# Altium PCB cPCIs_controller.pcbdoc (part 3 of 4)
Units mil, origin at the board's own origin, x right, y up, seen from the top; angles counter-clockwise.
Board outline 8662.94 x 3937.01 mil, 12 copper layers (Top Layer, L2GND, L3, L4GND, L5, L6GND, L7PWR, L8, L9GND, L10, L11GND, Bottom Layer), stack 81.88 mil thick; 84 components, 277 nets, 1195 pads, 138 vias.
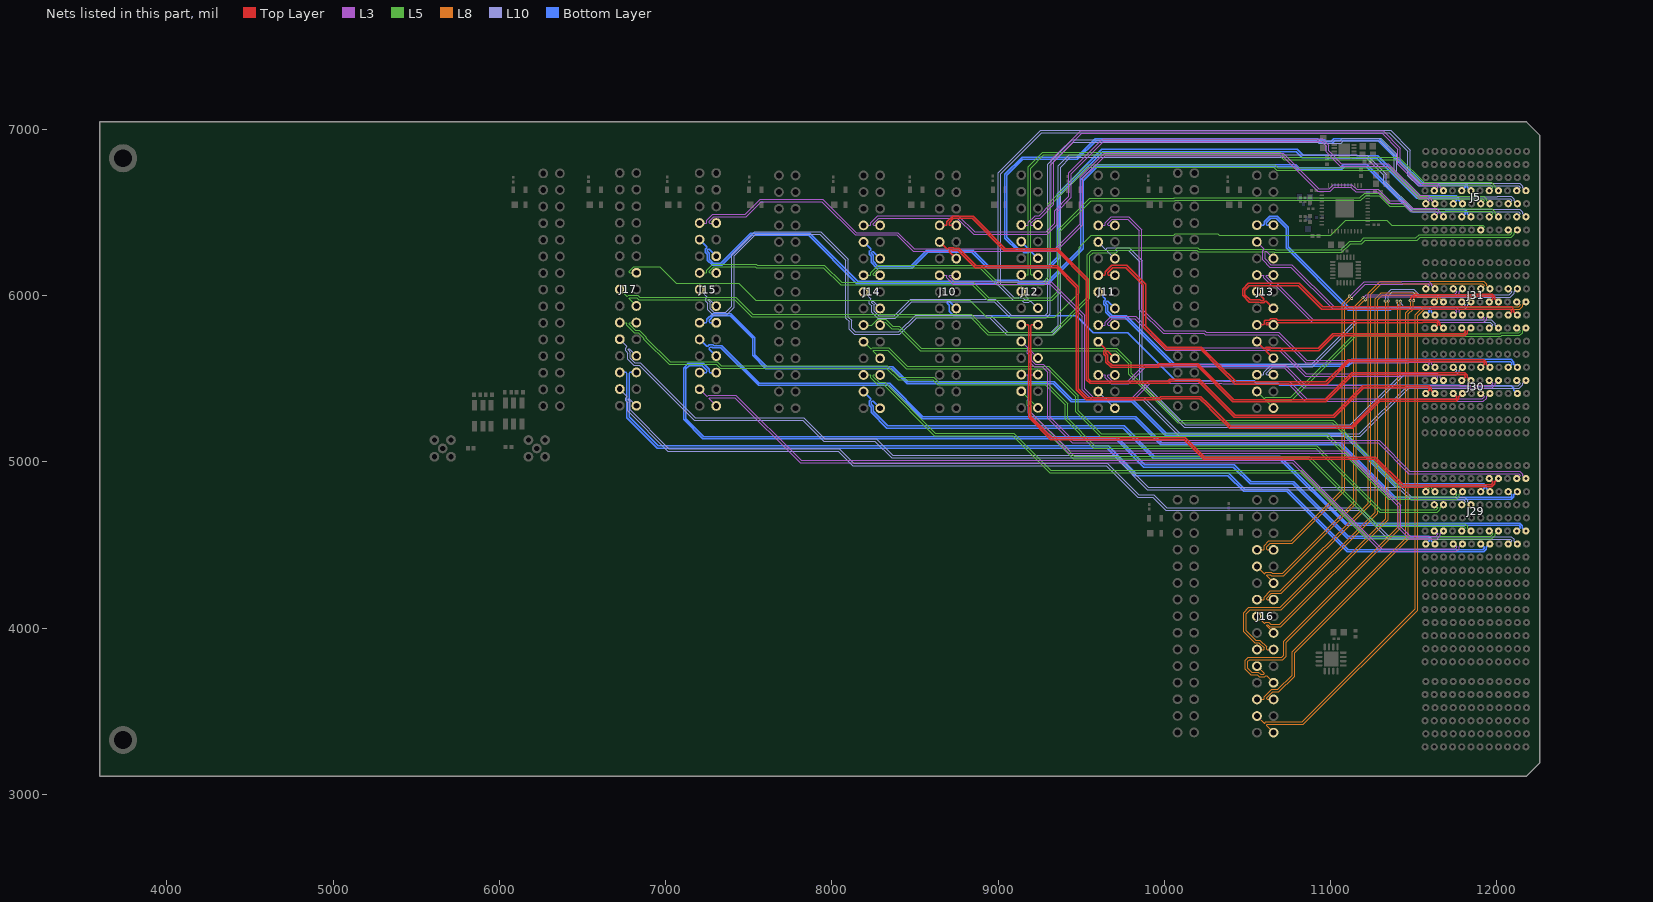
[diagram p13: the nets of this part, all layers, seen from the top]

## Via types
v1: diameter 25.59, hole 11.81, Top Layer to Bottom Layer, tented both sides, 116 vias
v2: diameter 17.72, hole 7.87, Top Layer to Bottom Layer, tented both sides, 18 vias
v3: diameter 19.68, hole 7.87, Top Layer to Bottom Layer, tented both sides, 4 vias

## Nets (pads, with @x,y where several pads share a name; then routed paths per layer and width w, separated by ;. In a path a pad name is that pad's centre, name@x,y a point inside that pad or via, vN(x,y) a via of type N, cw(c..) or ccw(c..) an arc to the next point about the centre after c; other vN are vias at no path point) (continued)
EXT4.LVDS_4_P: J10.14 J30.B4 | length 3761.2
  Bottom Layer w8: J10.14@8749,5923 8706.91,5965.09 8700.28,5965.09 8695.6,5960.4 8695.6,5953.78 8707.47,5941.9 8707.47,5905.8 8734.08,5879.19 9470.19,5879.19 9573.38,5776 9779,5776 10067.93,5487.07 10541.5,5487.07 10554.5,5474.07 10681.53,5474.07 10694.64,5460.96 11742.2,5460.96 11742.24,5461 11777.78,5461 11780.71,5458.07 12088.76,5458.07 12103.5,5443.34 12103.5,5431.32 12123.4,5411.42 J30.B4@12124.56,5411.42
EXT4.LVDS_5_N: J10.18 J30.F4 | length 3950.6
  L3 w5: J10.18@8749,6123 8709.43,6123 8706.5,6120.07 8706.5,6113.14 8736.82,6082.82 9321.18,6082.82 9523,5881 9523,5440.21 9577.21,5386 9807.79,5386 9909.36,5487.57 10353.46,5487.57 10357.04,5484 10751,5484 10856,5379 11912.9,5379 11924.14,5390.25 11924.14,5394.39 11907.12,5411.42 J30.F4@11904.08,5411.42
EXT4.LVDS_5_P: J10.17 J30.E4 | length 4000.4
  L3 w5: J10.17@8649,6123 8688.57,6123 8691.5,6120.07 8691.5,6106.92 8730.6,6067.82 9314.97,6067.82 9508,5874.79 9508,5434 9571,5371 9814,5371 9915.57,5472.57 10347.25,5472.57 10350.82,5469 10744.79,5469 10849.79,5364 11919.11,5364 11939.14,5384.03 11939.14,5394.39 11956.17,5411.42 J30.E4@11959.2,5411.42
EXT4.LVDS_6_N: J10.21 J30.I4 | length 4049.8
  Top Layer w8: J10.21@8649,6323 8691.09,6280.91 8697.72,6280.91 8706.21,6289.4 8730.17,6289.4 8733.64,6285.93 8763.18,6285.93 8869.11,6180 9357.63,6180 9484,6053.63 9484,5439 9537.07,5385.93 9971.93,5385.93 9979,5393 10220,5393 10267.6,5345.4 10306,5307 10399,5214 11126.62,5214 11290.38,5377.76 11752.67,5377.76 11759.79,5384.88 11759.79,5391.51 11739.88,5411.42 J30.I4@11738.73,5411.42
EXT4.LVDS_6_P: J10.20 J30.H4 | length 4060.6
  Top Layer w8: J10.20@8749,6223 8706.91,6265.09 8706.91,6271.72 8711.6,6276.4 8724.79,6276.4 8728.26,6272.93 8757.8,6272.93 8863.73,6167 9352.25,6167 9471,6048.25 9471,5433.62 9531.68,5372.93 9977.32,5372.93 9984.38,5380 10214.62,5380 10254.6,5340.02 10292.65,5301.96 10393.62,5201 11132,5201 11295.76,5364.76 11758.05,5364.76 11772.79,5379.5 11772.79,5391.51 11792.7,5411.42 J30.H4@11793.85,5411.42
EXT4.LVDS_7_N: J10.24 J30.L4 | length 3923.5
  Top Layer w8: J10.24@8749,6423 8710.19,6423 8705.5,6427.69 8705.5,6438.23 8731.8,6464.53 8844.09,6464.53 9038.62,6270 9355,6270 9531,6094 9531,5495.3 9553.37,5472.93 10027.93,5472.93 10040,5485 10205.62,5485 10421.62,5269 11023,5269 11199.07,5445.07 11587.32,5445.07 11594.43,5437.95 11594.43,5431.32 11574.53,5411.42 J30.L4@11573.38,5411.42
EXT4.LVDS_7_P: J10.23 J30.K4 | length 3968
  Top Layer w8: J10.23@8649,6423 8687.81,6423 8692.5,6427.69 8692.5,6443.61 8726.41,6477.53 8849.47,6477.53 9044,6283 9360.38,6283 9544,6099.38 9544,5500.69 ; 9543.04,5501.65 9544,5500.69 ; J30.K4@11628.49,5411.42 11627.34,5411.42 11607.43,5431.32 11607.43,5443.34 11592.7,5458.07 11193.69,5458.07 11017.62,5282 10427,5282 10211,5498 10034.62,5498 10022.55,5485.93 9558.76,5485.93 9544,5500.69
EXT5.LVDS_0_N: J11.3 J30.B5 | length 2805.3
  L10 w5: J11.3@9603,5423 9645.63,5380.38 9649.77,5380.38 9657.09,5387.7 9687.41,5387.7 9687.68,5387.43 9875.78,5387.43 10095.21,5168 11173.79,5168 11464.79,5459 12130.69,5459 12140.68,5468.99 12140.68,5473.13 12123.65,5490.16 J30.B5@12120.62,5490.16
EXT5.LVDS_0_P: J11.2 J30.A5 | length 2817.7
  L10 w5: J11.2@9703,5323 9660.37,5365.63 9660.37,5369.77 9663.3,5372.7 9681.2,5372.7 9681.46,5372.43 9869.57,5372.43 10089,5153 11180,5153 11471,5444 12136.91,5444 12155.68,5462.77 12155.68,5473.13 12172.71,5490.16 J30.A5@12175.74,5490.16
EXT5.LVDS_1_N: J11.6 J30.E5 | length 2505.8
  L3 w5: J11.6@9703,5523 9663.43,5523 9660.5,5520.07 9660.5,5513.14 9687.66,5485.97 9779.97,5485.97 9881.57,5587.57 10338.86,5587.57 10346.43,5580 10728,5580 10847,5461 11967.34,5461 11975.32,5468.99 11975.32,5473.13 11958.3,5490.16 J30.E5@11955.27,5490.16
EXT5.LVDS_1_P: J11.5 J30.D5 | length 2555.5
  L3 w5: J11.5@9603,5523 9642.57,5523 9645.5,5520.07 9645.5,5506.92 9681.45,5470.97 9786.19,5470.97 9887.79,5572.57 10332.64,5572.57 10340.22,5565 10721.79,5565 10840.78,5446 11973.55,5446 11990.32,5462.77 11990.32,5473.13 12007.35,5490.16 J30.D5@12010.38,5490.16
EXT5.LVDS_2_N: J11.9 J30.H5 | length 2523.7
  Top Layer w8: J11.9@9603,5723 9645.09,5680.91 9645.09,5674.28 9636.6,5665.79 9636.6,5648.39 9648.47,5636.52 9648.47,5600.42 9680.5,5568.38 9962.77,5568.38 9971.38,5577 10197.62,5577 10413.54,5361.07 10971.07,5361.07 11134,5524 11803.66,5524 11810.97,5516.69 11810.97,5510.06 11791.06,5490.16 J30.H5@11789.91,5490.16
EXT5.LVDS_2_P: J11.8 J30.G5 | length 2512.9
  Top Layer w8: J11.8@9703,5623 9660.91,5665.09 9654.28,5665.09 9649.6,5660.41 9649.6,5653.78 9661.47,5641.9 9661.47,5605.8 9685.89,5581.38 9957.38,5581.38 9966,5590 10203,5590 10418.93,5374.07 10965.69,5374.07 11128.62,5537 11809.05,5537 11823.97,5522.08 11823.97,5510.06 11843.88,5490.16 J30.G5@11845.03,5490.16
EXT5.LVDS_3_N: J11.12 J30.K5 | length 2224.5
  L3 w5: J11.12@9703,5823 9663.43,5823 9660.5,5825.93 9660.5,5832.87 9687.66,5860.03 9822.19,5860.03 10009.64,5672.57 10692.43,5672.57 10849,5516 11431.81,5516 11435.12,5519.31 11636.63,5519.31 11644.62,5511.33 11644.62,5507.18 11627.59,5490.16 J30.K5@11624.56,5490.16
EXT5.LVDS_3_P: J11.11 J30.J5 | length 2274.2
  L3 w5: J11.11@9603,5823 9642.57,5823 9645.5,5825.93 9645.5,5839.08 9681.45,5875.03 9828.4,5875.03 10015.86,5687.57 10698.64,5687.57 10855.21,5531 11425.59,5531 11428.9,5534.31 11642.85,5534.31 11659.62,5517.54 11659.62,5507.18 11676.64,5490.16 J30.J5@11679.67,5490.16
EXT5.LVDS_4_N: J11.15 J30.C6 | length 2776.8
  Bottom Layer w8: J11.15@9603,6023 9645.09,5980.91 9645.09,5974.28 9636.6,5965.79 9636.6,5948.39 9648.47,5936.52 9648.47,5900.41 9682.52,5866.37 9765.63,5866.37 10057.93,5574.07 10309.57,5574.07 10309.71,5573.93 11105.32,5573.93 11134.39,5603 12082.93,5603 12090.5,5595.43 12090.5,5588.8 12070.59,5568.9 J30.C6@12069.44,5568.9
EXT5.LVDS_4_P: J11.14 J30.B6 | length 2766.1
  Bottom Layer w8: J11.14@9703,5923 9660.91,5965.09 9654.28,5965.09 9649.6,5960.4 9649.6,5953.78 9661.47,5941.9 9661.47,5905.8 9687.9,5879.37 9771.02,5879.37 10063.31,5587.07 10314.96,5587.07 10315.1,5586.93 11099.94,5586.93 11129.01,5616 12088.31,5616 12103.5,5600.82 12103.5,5588.8 12123.4,5568.9 J30.B6@12124.56,5568.9
EXT5.LVDS_5_N: J11.18 J30.F6 | length 2866.4
  Top Layer w8: J11.18@9703,6123 9664.19,6123 9659.5,6127.69 9659.5,6138.23 9690.27,6169 9767.62,6169 9874.29,6062.32 9874.29,5811.32 10009.21,5676.41 10218.21,5676.41 10329.81,5564.81 10426.62,5468 10977,5468 11111,5602 11696.14,5602 11696.69,5602.55 11918.02,5602.55 11925.14,5595.43 11925.14,5588.8 11905.24,5568.9 J30.F6@11904.08,5568.9
EXT5.LVDS_5_P: J11.17 J30.E6 | length 2909.5
  Top Layer w8: J11.17@9603,6123 9641.81,6123 9646.5,6127.69 9646.5,6143.61 9684.89,6182 9773,6182 9887.29,6067.71 9887.29,5816.71 10014.59,5689.41 10223.59,5689.41 10330.69,5582.31 10432,5481 10971.62,5481 11105.62,5615 11690.75,5615 11691.3,5615.55 11923.41,5615.55 11938.14,5600.82 11938.14,5588.8 11958.05,5568.9 J30.E6@11959.2,5568.9
EXT5.LVDS_6_N: J11.21 J30.I6 | length 3210.3
  L10 w5: J11.21@9603,6323 9645.63,6280.37 9649.77,6280.37 9657.09,6287.7 9682.05,6287.7 9682.32,6287.43 9790.78,6287.43 9868,6210.21 9868,5481.21 10126.21,5223 11120,5223 11436.74,5539.74 11750.81,5539.74 11758.79,5547.73 11758.79,5551.87 11741.76,5568.9 J30.I6@11738.73,5568.9
EXT5.LVDS_6_P: J11.20 J30.H6 | length 3222.7
  L10 w5: J11.20@9703,6223 9660.37,6265.63 9660.37,6269.77 9663.3,6272.7 9681.79,6272.7 9682.05,6272.43 9784.57,6272.43 9853,6204 9853,5475 10120,5208 11126.21,5208 11442.96,5524.74 11757.02,5524.74 11773.79,5541.51 11773.79,5551.87 11790.82,5568.9 J30.H6@11793.85,5568.9
EXT5.LVDS_7_N: J11.24 J30.L6 | length 2664.9
  L3 w5: J11.24@9703,6423 9663.43,6423 9660.5,6425.93 9660.5,6432.86 9687.66,6460.03 9780.41,6460.03 9849.59,6390.85 9849.59,5916.2 9993.21,5772.57 10236.82,5772.57 10245.39,5764 10683.58,5764 10849.97,5597.61 11467.2,5597.61 11467.64,5598.05 11585.45,5598.05 11593.43,5590.07 11593.43,5585.93 11576.41,5568.9 J30.L6@11573.38,5568.9
EXT5.LVDS_7_P: J11.23 J30.K6 | length 2714.6
  L3 w5: J11.23@9603,6423 9642.57,6423 9645.5,6425.93 9645.5,6439.08 9681.45,6475.03 9786.62,6475.03 9864.59,6397.06 9864.59,5922.41 9999.43,5787.57 10243.03,5787.57 10251.61,5779 10689.79,5779 10856.18,5612.61 11460.99,5612.61 11461.43,5613.05 11591.66,5613.05 11608.43,5596.28 11608.43,5585.93 11625.46,5568.9 J30.K6@11628.49,5568.9
EXT6.LVDS_0_N: J12.3 J29.H3 | length 3101.4
  L5 w5: J12.3@9140,5425 9182.63,5382.38 9182.63,5378.23 9175.3,5370.91 9175.3,5340 9187.97,5327.33 9187.97,5283.81 9451.79,5020 10866.79,5020 11273.18,4613.61 11701.59,4613.61 11701.79,4613.8 11801.99,4613.8 11809.97,4605.81 11809.97,4601.67 11792.94,4584.64 J29.H3@11789.91,4584.64
EXT6.LVDS_0_P: J12.2 J29.G3 | length 3088.9
  L5 w5: J12.2@9240,5325 9197.37,5367.63 9193.23,5367.63 9190.3,5364.7 9190.3,5346.22 9202.97,5333.55 9202.97,5290.03 9458,5035 10873,5035 11279.39,4628.61 11695.38,4628.61 11695.57,4628.8 11808.2,4628.8 11824.97,4612.03 11824.97,4601.67 11842,4584.64 J29.G3@11845.03,4584.64
EXT6.LVDS_1_N: J12.6 J29.K3 | length 3132.8
  L3 w5: J12.6@9240,5525 9200.43,5525 9197.5,5522.07 9197.5,5300 9431.5,5066 11096.21,5066 11423.98,4738.23 11423.98,4609 11478.98,4554 11635.14,4554 11644.62,4563.47 11644.62,4567.62 11627.59,4584.64 J29.K3@11624.56,4584.64
EXT6.LVDS_1_P: J12.5 J29.J3 | length 3182.5
  L3 w5: J12.5@9140,5525 9179.57,5525 9182.5,5522.07 9182.5,5293.79 9425.29,5051 11090,5051 11408.98,4732.02 11408.98,4602.79 11472.77,4539 11641.35,4539 11659.62,4557.26 11659.62,4567.62 11676.64,4584.64 J29.J3@11679.67,4584.64
EXT6.LVDS_2_N: J12.9 J29.B7 | length 3577.1
  L3 w5: J12.9@9140,5725 9182.63,5682.38 9182.63,5678.23 9175.3,5670.91 9175.3,5654.34 9187.97,5641.67 9187.97,5603.45 9218.45,5572.97 9266.81,5572.97 9299.59,5540.2 9299.59,5262.2 9447.79,5114 11286.79,5114 11471.79,4929 12132.45,4929 12140.68,4920.78 12140.68,4916.63 12123.65,4899.61 J29.B7@12120.62,4899.61
EXT6.LVDS_2_P: J12.8 J29.A7 | length 3564.6
  L3 w5: J12.8@9240,5625 9197.37,5667.63 9193.23,5667.63 9190.3,5664.7 9190.3,5660.56 9202.97,5647.89 9202.97,5609.66 9224.66,5587.97 9273.03,5587.97 9314.59,5546.41 9314.59,5268.41 9454,5129 11293,5129 11478,4944 12138.67,4944 12155.68,4926.99 12155.68,4916.63 12172.71,4899.61 J29.A7@12175.74,4899.61
EXT6.LVDS_3_N: J12.12 J29.E7 | length 3584.3
  Top Layer w8: J12.12@9240,5825 9201.19,5825 9196.5,5820.32 9196.5,5272.5 9323,5146 10125.38,5146 10242.38,5029 11269.38,5029 11437.19,4861.19 11554.03,4861.19 11555.9,4863.06 11966.32,4863.06 11976.32,4873.07 11976.32,4879.7 11956.42,4899.61 J29.E7@11955.27,4899.61
EXT6.LVDS_3_P: J12.11 J29.D7 | length 3627.4
  Top Layer w8: J12.11@9140,5825 9178.81,5825 9183.5,5820.32 9183.5,5267.12 9317.62,5133 10120,5133 10237,5016 11264,5016 11431.81,4848.19 11559.41,4848.19 11561.28,4850.06 11971.7,4850.06 11989.32,4867.69 11989.32,4879.7 12009.23,4899.61 J29.D7@12010.38,4899.61
EXT6.LVDS_4_N: J5.B5 J12.15 | length 4411
  L10 w5: J12.15@9140,6025 9182.63,5982.37 9182.63,5978.23 9179.7,5975.3 9161.21,5975.3 9148.55,5987.97 9099.03,5987.97 9017,6070 9017,6734 9262,6979 11355,6979 11466,6868 11466,6722.79 11526.79,6662 12131.74,6662 12140.68,6653.06 12140.68,6648.92 12123.65,6631.89 J5.B5@12120.62,6631.89
EXT6.LVDS_4_P: J5.A5 J12.14 | length 4498
  L10 w5: J12.14@9240,5925 9197.37,5967.63 9193.23,5967.63 9185.91,5960.3 9155,5960.3 9142.33,5972.97 9092.81,5972.97 9002,6063.79 9002,6740.21 9255.79,6994 11361.21,6994 11481,6874.21 11481,6729 11533,6677 12137.95,6677 12155.68,6659.27 12155.68,6648.92 12172.71,6631.89 J5.A5@12175.74,6631.89
EXT6.LVDS_5_N: J5.E5 J12.18 | length 3608
  L5 w5: J12.18@9240,6125 9200.43,6125 9196.04,6129.39 9196.04,6768.04 9275,6847 10690.79,6847 10718.79,6819 11404.62,6819 11557.62,6666 11962.38,6666 11975.32,6653.06 11975.32,6648.92 11958.3,6631.89 J5.E5@11955.27,6631.89
EXT6.LVDS_5_P: J5.D5 J12.17 | length 3656.5
  L5 w5: J12.17@9140,6125 9179.57,6125 9181.04,6126.46 9181.04,6774.25 9268.79,6862 10697,6862 10725,6834 11410.84,6834 11563.84,6681 11968.6,6681 11990.32,6659.27 11990.32,6648.92 12007.35,6631.89 J5.D5@12010.38,6631.89
EXT6.LVDS_6_N: J5.H5 J12.21 | length 3609.2
  Bottom Layer w8: J12.21@9140,6325 9182.09,6282.91 9182.09,6276.28 9177.4,6271.6 9164.21,6271.6 9152.34,6283.47 9122.8,6283.47 9054,6352.27 9054,6724 9150,6820 9478,6820 9589.81,6931.81 10915.81,6931.81 10923.28,6924.34 10957.16,6924.34 10964.31,6917.19 11011.19,6917.19 11026,6932 11286.76,6932 11381.29,6837.48 11381.29,6831.71 11547.46,6665.54 11803.85,6665.54 11810.97,6658.42 11810.97,6651.8 11791.06,6631.89 J5.H5@11789.91,6631.89
EXT6.LVDS_6_P: J5.G5 J12.20 | length 3683.9
  Bottom Layer w8: J12.20@9240,6225 9197.91,6267.09 9191.28,6267.09 9182.79,6258.6 9158.83,6258.6 9146.95,6270.47 9117.41,6270.47 9041,6346.89 9041,6729.38 9144.62,6833 9472.62,6833 9584.42,6944.81 10921.19,6944.81 10928.66,6937.34 10962.55,6937.34 10969.69,6930.19 11005.81,6930.19 11020.62,6945 11292.15,6945 11394.29,6842.86 11394.29,6837.1 11490.38,6741 ; 11492,6741 11492,6739.38 11552.84,6678.54 11809.24,6678.54 11823.97,6663.81 11823.97,6651.8 11843.88,6631.89 J5.G5@11845.03,6631.89
EXT6.LVDS_7_N: J5.K5 J12.24 | length 3094.3
  L3 w5: J12.24@9240,6425 9200.43,6425 9197.5,6427.93 9197.5,6434.86 9229.64,6467 9253.52,6467 9336,6549.48 9336,6810 9503,6977 11311,6977 11406,6882 11406,6790 11533.77,6662.23 11635.45,6662.23 11644.62,6653.06 11644.62,6648.92 11627.59,6631.89 J5.K5@11624.56,6631.89
EXT6.LVDS_7_P: J5.J5 J12.23 | length 3144
  L3 w5: J12.23@9140,6425 9179.57,6425 9182.5,6427.93 9182.5,6441.08 9223.42,6482 9247.3,6482 9321,6555.7 9321,6816.21 9496.79,6992 11317.21,6992 11421,6888.21 11421,6796.21 11539.99,6677.23 11641.66,6677.23 11659.62,6659.27 11659.62,6648.92 11676.64,6631.89 J5.J5@11679.67,6631.89
EXT7.LVDS_0_N: J13.3 J31.B1 | length 1799.6
  L5 w5: J13.3@10557,5424 10599.63,5381.38 10603.77,5381.38 10611.09,5388.7 10642,5388.7 10642.27,5388.43 10762.43,5388.43 11145,5771 12020,5771 12024.96,5775.96 12132.7,5775.96 12140.68,5783.95 12140.68,5788.09 12123.65,5805.12 J31.B1@12120.62,5805.12
EXT7.LVDS_0_P: J13.2 J31.A1 | length 1812
  L5 w5: J13.2@10657,5324 10614.37,5366.63 10614.37,5370.77 10617.3,5373.7 10635.79,5373.7 10636.05,5373.43 10768.64,5373.43 11151.21,5756 12026.21,5756 12031.18,5760.96 12138.91,5760.96 12155.68,5777.73 12155.68,5788.09 12172.71,5805.12 J31.A1@12175.74,5805.12
EXT7.LVDS_1_N: J13.6 J31.E1 | length 1574.4
  L10 w5: J13.6@10657,5524 10617.43,5524 10614.5,5526.93 10614.5,5533.87 10654.06,5573.43 10894.85,5573.43 11160.42,5839 11962.61,5839 11975.32,5826.29 11975.32,5822.15 11958.3,5805.12 J31.E1@11955.27,5805.12
EXT7.LVDS_1_P: J13.5 J31.D1 | length 1624.1
  L10 w5: J13.5@10557,5524 10596.57,5524 10599.5,5526.93 10599.5,5540.08 10647.85,5588.43 10888.64,5588.43 11154.21,5854 11968.83,5854 11990.32,5832.5 11990.32,5822.15 12007.35,5805.12 J31.D1@12010.38,5805.12
EXT7.LVDS_2_N: J13.9 J31.H1 | length 1353.5
  Top Layer w8: J13.9@10557,5724 10599.09,5681.91 10605.72,5681.91 10614.21,5690.41 10638.17,5690.41 10645.58,5683 10925.62,5683 11013.62,5771 11803.39,5771 11810.97,5778.58 11810.97,5785.21 11791.06,5805.12 J31.H1@11789.91,5805.12
EXT7.LVDS_2_P: J13.8 J31.G1 | length 1366.4
  Top Layer w8: J13.8@10657,5624 10657,5627.62 10653.39,5627.62 10614.91,5666.09 10614.91,5672.72 10619.6,5677.41 10632.79,5677.41 10640.19,5670 10931,5670 11019,5758 11808.77,5758 11823.97,5773.2 11823.97,5785.21 11843.88,5805.12 J31.G1@11845.03,5805.12
EXT7.LVDS_3_N: J13.12 J31.K1 | length 1126.2
  Top Layer w8: J13.12@10657,5824 10618.19,5824 10613.5,5828.69 10613.5,5838.19 11553.86,5838.19 11554.44,5838.77 11638.5,5838.77 11645.62,5831.65 11645.62,5825.02 11625.71,5805.12 J31.K1@11624.56,5805.12
EXT7.LVDS_3_P: J13.11 J31.J1 | length 1178.1
  Top Layer w8: J13.11@10557,5824 10595.81,5824 10600.5,5828.69 10600.5,5844.62 10607.08,5851.19 10631.76,5851.19 10641.64,5861.07 10672.36,5861.07 10682.24,5851.19 11548.48,5851.19 11549.06,5851.77 11643.88,5851.77 11658.62,5837.04 11658.62,5825.02 11678.52,5805.12 J31.J1@11679.67,5805.12
EXT7.LVDS_4_N: J13.15 J31.C2 | length 1941.7
  Top Layer w8: J13.15@10557,6024 10599.09,5981.91 10599.09,5975.28 10593.9,5970.1 10581.71,5970.1 10577.74,5974.07 10516.93,5974.07 10484,6007 10484,6034 10510.41,6060.41 10644.29,6060.41 10644.96,6061.07 10806.94,6061.07 10949.01,5919 12081.89,5919 12090.5,5910.39 12090.5,5903.76 12070.59,5883.86 J31.C2@12069.44,5883.86
EXT7.LVDS_4_P: J13.14 J31.B2 | length 2017.1
  Top Layer w8: J13.14@10657,5924 10614.91,5966.09 10608.28,5966.09 10599.29,5957.1 10576.33,5957.1 10572.36,5961.07 10511.54,5961.07 10471,6001.62 10471,6039.38 10505.02,6073.41 10638.91,6073.41 10639.57,6074.07 10812.33,6074.07 10954.4,5932 12087.27,5932 12103.5,5915.78 12103.5,5903.76 12123.4,5883.86 J31.B2@12124.56,5883.86
EXT7.LVDS_5_N: J13.18 J31.F2 | length 1502.3
  L3 w5: J13.18@10657,6124 10617.43,6124 10614.5,6121.07 10614.5,6114.14 10654.06,6074.57 10677.95,6074.57 10897.81,5854.7 11916.16,5854.7 11924.14,5862.69 11924.14,5866.83 11907.12,5883.86 J31.F2@11904.08,5883.86
EXT7.LVDS_5_P: J13.17 J31.E2 | length 1552
  L3 w5: J13.17@10557,6124 10596.57,6124 10599.5,6121.07 10599.5,6107.92 10647.85,6059.57 10671.73,6059.57 10891.6,5839.7 11922.37,5839.7 11939.14,5856.47 11939.14,5866.83 11956.17,5883.86 J31.E2@11959.2,5883.86
EXT7.LVDS_6_N: J13.21 J31.I2 | length 1455.8
  L3 w5: J13.21@10557,6324 10599.63,6281.37 10599.63,6277.23 10592.3,6269.91 10592.3,6239 10592.57,6238.73 10592.57,6214.85 10635.45,6171.97 10762.03,6171.97 11014.1,5919.9 11743.92,5919.9 11758.79,5905.03 11758.79,5900.89 11741.76,5883.86 J31.I2@11738.73,5883.86
EXT7.LVDS_6_P: J13.20 J31.H2 | length 1443.3
  L3 w5: J13.20@10657,6224 10614.37,6266.63 10610.23,6266.63 10607.3,6263.7 10607.3,6245.21 10607.57,6244.95 10607.57,6221.06 10641.66,6186.97 10768.24,6186.97 11020.31,5934.9 11750.13,5934.9 11773.79,5911.24 11773.79,5900.89 11790.82,5883.86 J31.H2@11793.85,5883.86
EXT7.LVDS_7_N: J13.24 J31.L2 | length 1386.4
  Bottom Layer w8: J13.24@10657,6424 10618.19,6424 10613.5,6428.69 10613.5,6439.23 10639.8,6465.53 10674.2,6465.53 10734,6405.73 10734,6287.69 11108.5,5913.19 11362.4,5913.19 11366.72,5917.51 11587.32,5917.51 11594.43,5910.39 11594.43,5903.76 11574.53,5883.86 J31.L2@11573.38,5883.86
EXT7.LVDS_7_P: J13.23 J31.K2 | length 1429.5
  Bottom Layer w8: J13.23@10557,6424 10595.81,6424 10600.5,6428.69 10600.5,6444.61 10634.41,6478.53 10679.59,6478.53 10747,6411.11 10747,6293.08 11113.88,5926.19 11357.02,5926.19 11361.34,5930.51 11592.7,5930.51 11607.43,5915.78 11607.43,5903.76 11627.34,5883.86 J31.K2@11628.49,5883.86
EXT8.LVDS_0_N: J14.3 J29.B3 | length 4376.7
  Bottom Layer w8: J14.3@8191,5423 8233.09,5380.91 8233.09,5374.28 8224.6,5365.79 8224.6,5341.83 8236.47,5329.96 8236.47,5298.14 8331.62,5203 9753,5203 9934,5022 10689.62,5022 11093.62,4618 12080.21,4618 12080.51,4618.3 12134.56,4618.3 12141.68,4611.18 12141.68,4604.55 12121.77,4584.64 J29.B3@12120.62,4584.64
EXT8.LVDS_0_P: J14.2 J29.A3 | length 4365.9
  Bottom Layer w8: J14.2@8291,5323 8248.91,5365.09 8242.28,5365.09 8237.6,5360.41 8237.6,5347.22 8249.47,5335.34 8249.47,5303.53 8337,5216 9758.38,5216 9939.38,5035 10695,5035 11099,4631 12074.82,4631 12075.12,4631.3 12139.94,4631.3 12154.68,4616.56 12154.68,4604.55 12174.59,4584.64 J29.A3@12175.74,4584.64
EXT8.LVDS_1_N: J14.6 J29.E3 | length 4210.8
  L5 w5: J14.6@8291,5523 8251.43,5523 8248.5,5520.07 8248.5,5513.14 8283.98,5477.66 8317.55,5477.66 8623.21,5172 9094,5172 9316,4950 10823.21,4950 11220.21,4553 11964.85,4553 11975.32,4563.47 11975.32,4567.62 11958.3,4584.64 J29.E3@11955.27,4584.64
EXT8.LVDS_1_P: J14.5 J29.D3 | length 4260.5
  L5 w5: J14.5@8191,5523 8230.57,5523 8233.5,5520.07 8233.5,5506.92 8277.77,5462.66 8311.34,5462.66 8617,5157 9087.79,5157 9309.79,4935 10817,4935 11214,4538 11971.06,4538 11990.32,4557.26 11990.32,4567.62 12007.35,4584.64 J29.D3@12010.38,4584.64
EXT8.LVDS_2_N: J14.9 J29.I6 | length 4048.3
  L5 w5: J14.9@8191,5723 8233.63,5680.38 8237.77,5680.38 8245.09,5687.7 8276,5687.7 8276.27,5687.43 8341.78,5687.43 8455.21,5574 8756.71,5574 8758.29,5575.57 9304.64,5575.57 9482.8,5397.42 9482.8,5307.2 9622,5168 10981.21,5168 11357.5,4791.71 11750.81,4791.71 11758.79,4799.69 11758.79,4803.84 11741.76,4820.87 J29.I6@11738.73,4820.87
EXT8.LVDS_2_P: J14.8 J29.H6 | length 4060.7
  L5 w5: J14.8@8291,5623 8248.37,5665.63 8248.37,5669.77 8251.3,5672.7 8269.79,5672.7 8270.05,5672.43 8335.57,5672.43 8449,5559 8763.43,5559 8765,5560.57 9298.43,5560.57 9467.8,5391.2 9467.8,5300.99 9615.79,5153 10975,5153 11351.29,4776.71 11757.02,4776.71 11773.79,4793.48 11773.79,4803.84 11790.82,4820.87 J29.H6@11793.85,4820.87
EXT8.LVDS_3_N: J14.12 J29.L6 | length 3790.9
  L5 w5: J14.12@8291,5823 8300,5823 8317.93,5840.93 8322.07,5840.93 8361.89,5801.11 8400.68,5801.11 8532.79,5669 9707.31,5669 9787.05,5589.26 9787.05,5527.74 10080.79,5234 11011.79,5234 11395.77,4850.02 11585.45,4850.02 11593.43,4842.04 11593.43,4837.89 11576.41,4820.87 J29.L6@11573.38,4820.87
EXT8.LVDS_3_P: J14.11 J29.K6 | length 3924.2
  L5 w5: J14.11@8191,5823 8240.7,5823 8276.27,5858.57 8325.64,5858.57 8368.11,5816.11 8406.89,5816.11 8539,5684 9713.52,5684 9802.05,5595.47 9802.05,5533.95 10087,5249 11018,5249 11401.98,4865.02 11591.66,4865.02 11608.43,4848.25 11608.43,4837.89 11625.46,4820.87 J29.K6@11628.49,4820.87
EXT8.LVDS_4_N: J5.C4 J14.15 | length 5311.2
  L10 w5: J14.15@8191,6023 8233.63,5980.37 8233.63,5976.23 8226.3,5968.91 8226.3,5952.34 8238.97,5939.67 8238.97,5901.45 8275.42,5865 8382.21,5865 8481.21,5964 8977.79,5964 9074.79,5867 9289.21,5867 9313,5890.79 9313,6784 9451.84,6922.84 10923.8,6922.84 10928.48,6918.16 11064.16,6918.16 11078,6932 11297,6932 11383,6846 11383,6728.79 11530.18,6581.61 12010.61,6581.61 12011.3,6582.3 12081.51,6582.3 12089.5,6574.32 12089.5,6570.18 12072.47,6553.15 J5.C4@12069.44,6553.15
EXT8.LVDS_4_P: J5.B4 J14.14 | length 5298.7
  L10 w5: 8275.82,5885.82 8281.64,5880 8376,5880 8475,5979 8984,5979 9081,5882 9283,5882 9298,5897 9298,6790.21 9445.63,6937.84 10930.02,6937.84 10934.69,6933.16 11057.95,6933.16 11071.79,6947 11303.21,6947 11398,6852.21 11398,6735 11536.39,6596.61 12004.39,6596.61 12005.09,6597.3 12087.73,6597.3 12104.5,6580.53 12104.5,6570.18 12121.53,6553.15 J5.B4@12124.56,6553.15 ; 8275.82,5885.97 8275.66,5885.97 8253.97,5907.66 8253.97,5945.89 8241.3,5958.55 8241.3,5962.7 8244.23,5965.63 8248.37,5965.63 J14.14@8291,5923
EXT8.LVDS_5_N: J5.F4 J14.18 | length 4448.4
  L5 w5: J14.18@8291,6123 8251.43,6123 8248.5,6125.93 8248.5,6132.86 8284.64,6169 8888.79,6169 8991.79,6066 9277.21,6066 9318,6106.79 9318,6548 9542.57,6772.57 10658.73,6772.57 10677.3,6754 11358.79,6754 11529.79,6583 11915.46,6583 11924.14,6574.32 11924.14,6570.18 11907.12,6553.15 J5.F4@11904.08,6553.15
EXT8.LVDS_5_P: J5.E4 J14.17 | length 4498.1
  L5 w5: J14.17@8191,6123 8230.57,6123 8233.5,6125.93 8233.5,6139.08 8278.42,6184 8895,6184 8998,6081 9271,6081 9303,6113 9303,6554.21 9536.36,6787.57 10664.95,6787.57 10683.52,6769 11365,6769 11536,6598 11921.68,6598 11939.14,6580.53 11939.14,6570.18 11956.17,6553.15 J5.E4@11959.2,6553.15
EXT8.LVDS_6_N: J5.I4 J14.21 | length 4431.3
  Bottom Layer w8: J14.21@8191,6323 8233.09,6280.91 8233.09,6274.28 8224.6,6265.79 8224.6,6248.39 8236.47,6236.52 8236.47,6200.41 8271.89,6165 8481.28,6165 8576.35,6260.07 8842.54,6260.07 8934.62,6168 9311.38,6168 9368,6224.62 9368,6605 9630,6867 10794.34,6867 10830.66,6830.69 11153.89,6830.69 11156.92,6827.66 11278.95,6827.66 11519.81,6586.8 11752.67,6586.8 11759.79,6579.68 11759.79,6573.06 11739.88,6553.15 J5.I4@11738.73,6553.15
EXT8.LVDS_6_P: J5.H4 J14.20 | length 4419.4
  Bottom Layer w8: J14.20@8291,6223 8248.91,6265.09 8242.28,6265.09 8237.6,6260.4 8237.6,6253.78 8249.47,6241.9 8249.47,6205.8 8277.27,6178 8475.9,6178 8570.97,6273.07 8847.93,6273.07 8940,6181 9306,6181 9355,6230 9355,6610.38 9624.62,6880 10799.73,6880 10836.04,6843.69 11159.28,6843.69 11162.3,6840.66 11284.34,6840.66 11451.38,6673.62 ; 11454,6673.62 11454,6671 11525.2,6599.8 11758.05,6599.8 11772.79,6585.07 11772.79,6573.06 11792.7,6553.15 J5.H4@11793.85,6553.15
EXT8.LVDS_7_N: J5.L4 J14.24 | length 4009.6
  L3 w5: J14.24@8291,6423 8251.43,6423 8248.5,6425.93 8248.5,6432.86 8282.64,6467 8755.3,6467 8853.3,6369 9296.35,6369 9356,6428.65 9356,6506 9441,6591 9441,6733 9637,6929 10945,6929 10974,6900 10974,6864.79 11058.79,6780 11342,6780 11532.81,6589.19 11578.56,6589.19 11593.43,6574.32 11593.43,6570.18 11576.41,6553.15 J5.L4@11573.38,6553.15
EXT8.LVDS_7_P: J5.K4 J14.23 | length 4059.3
  L3 w5: J14.23@8191,6423 8230.57,6423 8233.5,6425.93 8233.5,6439.08 8276.42,6482 8761.52,6482 8859.52,6384 9290.14,6384 9341,6434.86 9341,6512.21 9426,6597.21 9426,6739.21 9630.79,6944 10951.21,6944 10989,6906.21 10989,6871 11065,6795 11348.21,6795 11539.02,6604.19 11584.78,6604.19 11608.43,6580.53 11608.43,6570.18 11625.46,6553.15 J5.K4@11628.49,6553.15
EXT9.LVDS_0_N: J15.3 J29.I2 | length 4992.2
  L3 w5: J15.3@7205,5437 7247.63,5394.38 7251.77,5394.38 7259.09,5401.7 7290,5401.7 7290.27,5401.43 7422.57,5401.43 7815,5009 10777,5009 11309.25,4476.75 11750.81,4476.75 11758.79,4484.73 11758.79,4488.88 11741.76,4505.9 J29.I2@11738.73,4505.9
EXT9.LVDS_0_P: J15.2 J29.H2 | length 5004.6
  L3 w5: J15.2@7305,5337 7262.37,5379.63 7262.37,5383.77 7265.3,5386.7 7283.79,5386.7 7284.05,5386.43 7416.36,5386.43 7808.79,4994 10770.79,4994 11303.04,4461.75 11757.02,4461.75 11773.79,4478.52 11773.79,4488.88 11790.82,4505.9 J29.H2@11793.85,4505.9
EXT9.LVDS_1_N: J15.6 J29.L2 | length 5371.2
  Bottom Layer w8: J15.6@7305,5537 7266.19,5537 7261.5,5541.69 7261.5,5557.62 7227.12,5592 7135.62,5592 7108,5564.38 7108,5255.62 7224.62,5139 9708,5139 9878,4969 10415,4969 10517,4867 10774,4867 11101.44,4539.56 11587.32,4539.56 11594.43,4532.44 11594.43,4525.81 11574.53,4505.9 J29.L2@11573.38,4505.9
EXT9.LVDS_1_P: J15.5 J29.K2 | length 5328.2
  Bottom Layer w8: J15.5@7205,5537 7243.81,5537 7248.5,5541.69 7248.5,5552.23 7221.73,5579 7141,5579 7121,5559 7121,5261 7230,5152 9713.38,5152 9883.38,4982 10420.38,4982 10522.38,4880 10779.38,4880 11106.83,4552.56 11592.7,4552.56 11607.43,4537.82 11607.43,4525.81 11627.34,4505.9 J29.K2@11628.49,4505.9
EXT9.LVDS_2_N: J15.9 J29.C6 | length 5325
  Bottom Layer w8: J15.9@7205,5737 7247.09,5694.91 7253.72,5694.91 7262.21,5703.41 7286.17,5703.41 7289.64,5699.93 7338.07,5699.93 7564.93,5473.07 8347.31,5473.07 8548.38,5272 9828,5272 9985,5115 11061,5115 11389,4787 12083.17,4787 12090.5,4794.33 12090.5,4800.96 12070.59,4820.87 J29.C6@12069.44,4820.87
EXT9.LVDS_2_P: J15.8 J29.B6 | length 5335.8
  Bottom Layer w8: J15.8@7305,5637 7262.91,5679.09 7262.91,5685.72 7267.6,5690.41 7280.79,5690.41 7284.26,5686.93 7332.68,5686.93 7559.54,5460.07 8341.93,5460.07 8543,5259 9822.62,5259 9979.62,5102 11055.62,5102 11383.62,4774 12088.55,4774 12103.5,4788.95 12103.5,4800.96 12123.4,4820.87 J29.B6@12124.56,4820.87
EXT9.LVDS_3_N: J15.12 J29.F6 | length 5253.9
  Bottom Layer w8: J15.12@7305,5837 7266.19,5837 7261.5,5841.69 7261.5,5852.23 7287.8,5878.53 7388.09,5878.53 7523.71,5742.9 7523.71,5640.62 7603.52,5560.81 8360.81,5560.81 8452.62,5469 9332.62,5469 9440.62,5361 9804.62,5361 10006.62,5159 11082.62,5159 11387.62,4854 11870.83,4854 11871.35,4854.52 11918.02,4854.52 11925.14,4847.4 11925.14,4840.77 11905.24,4820.87 J29.F6@11904.08,4820.87
EXT9.LVDS_3_P: J15.11 J29.E6 | length 5297
  Bottom Layer w8: J15.11@7205,5837 7243.81,5837 7248.5,5841.69 7248.5,5857.62 7282.41,5891.53 7393.47,5891.53 7536.71,5748.29 7536.71,5646 7608.9,5573.81 8366.19,5573.81 8458,5482 9338,5482 9446,5374 9810,5374 10012,5172 11088,5172 11393,4867 11865.45,4867 11865.96,4867.52 11923.41,4867.52 11938.14,4852.78 11938.14,4840.77 11958.05,4820.87 J29.E6@11959.2,4820.87
EXT9.LVDS_4_N: J5.B3 J15.15 | length 7199
  L10 w5: J15.15@7205,6037 7247.63,5994.37 7247.63,5990.23 7240.3,5982.91 7240.3,5966.34 7252.97,5953.67 7252.97,5915.45 7283.45,5884.97 7369.21,5884.97 7414,5929.76 7414,6241 7543,6370 7928,6370 8085,6213 8085,5865.39 8105,5845.39 8105,5797.79 8135.79,5767 8410,5767 8511.5,5868.5 8950.29,5868.5 9053.79,5765 9325.21,5765 9376,5815.79 9376,6774 9435,6833 10977.5,6833 10981.5,6829 11216,6829 11322,6723 11322,6676.79 11495.22,6503.56 12132.7,6503.56 12140.68,6495.58 12140.68,6491.44 12123.65,6474.41 J5.B3@12120.62,6474.41
EXT9.LVDS_4_P: J5.A3 J15.14 | length 7186.6
  L10 w5: J15.14@7305,5937 7262.37,5979.63 7258.23,5979.63 7255.3,5976.7 7255.3,5972.55 7267.97,5959.89 7267.97,5921.66 7289.66,5899.97 7363,5899.97 7399,5935.97 7399,6247.21 7536.79,6385 7934.21,6385 8100,6219.21 8100,5871.61 8120,5851.61 8120,5804 8142,5782 8403.79,5782 8505.29,5883.5 8956.5,5883.5 9060,5780 9319,5780 9361,5822 9361,6780.21 9428.79,6848 10983.71,6848 10987.71,6844 11222.21,6844 11337,6729.21 11337,6683 11501.44,6518.56 12138.91,6518.56 12155.68,6501.79 12155.68,6491.44 12172.71,6474.41 J5.A3@12175.74,6474.41
EXT9.LVDS_5_N: J5.E3 J15.18 | length 5408.4
  L5 w5: J15.18@7305,6137 7265.43,6137 7262.5,6139.93 7262.5,6146.86 7289.66,6174.03 7538.76,6174.03 7544.79,6168 7949.65,6168 8052.65,6065 8844.79,6065 8937.79,5972 9325.21,5972 9374,6020.79 9374,6387 9559.43,6572.43 10066.12,6572.43 10066.7,6573 11183.64,6573 11211.64,6601 11294,6601 11357.61,6537.39 11451.39,6537.39 11480.79,6508 11962.9,6508 11975.32,6495.58 11975.32,6491.44 11958.3,6474.41 J5.E3@11955.27,6474.41
EXT9.LVDS_5_P: J5.D3 J15.17 | length 5458.1
  L5 w5: J15.17@7205,6137 7244.57,6137 7247.5,6139.93 7247.5,6153.08 7283.45,6189.03 7544.97,6189.03 7551,6183 7955.86,6183 8058.86,6080 8851,6080 8944,5987 9319,5987 9359,6027 9359,6393.21 9553.22,6587.43 10059.91,6587.43 10060.48,6588 11177.43,6588 11205.43,6616 11300.21,6616 11363.82,6552.39 11457.61,6552.39 11487,6523 11969.12,6523 11990.32,6501.79 11990.32,6491.44 12007.35,6474.41 J5.D3@12010.38,6474.41
EXT9.LVDS_6_N: J5.H3 J15.21 | length 5619.7
  Bottom Layer w8: J15.21@7205,6337 7247.09,6294.91 7247.09,6288.28 7238.6,6279.79 7238.6,6262.39 7250.47,6250.52 7250.47,6214.41 7282.41,6182.47 7338.38,6182.47 7518.91,6363 7861,6363 8151.07,6072.93 8986.38,6072.93 8993.46,6080 9114.19,6080 9119.26,6074.93 9305.54,6074.93 9512,6281.38 9512,6692 9596,6776 10784.74,6776 10803.07,6757.66 11063.66,6757.66 11082,6776 11215.16,6776 11484.97,6506.19 11689.89,6506.19 11691.76,6508.06 11803.85,6508.06 11810.97,6500.94 11810.97,6494.32 11791.06,6474.41 J5.H3@11789.91,6474.41
EXT9.LVDS_6_P: J5.G3 J15.20 | length 5608.9
  Bottom Layer w8: J15.20@7305,6237 7262.91,6279.09 7256.28,6279.09 7251.6,6274.4 7251.6,6267.78 7263.47,6255.9 7263.47,6219.8 7287.8,6195.47 7333,6195.47 7513.53,6376 7866.38,6376 8156.46,6085.93 8981,6085.93 8988.07,6093 9119.57,6093 9124.64,6087.93 9300.16,6087.93 9499,6286.77 9499,6697.38 9590.62,6789 10790.12,6789 10808.46,6770.66 11058.28,6770.66 11076.62,6789 11220.54,6789 11490.35,6519.19 11684.51,6519.19 11686.38,6521.06 11809.24,6521.06 11823.97,6506.33 11823.97,6494.32 11843.88,6474.41 J5.G3@11845.03,6474.41
EXT9.LVDS_7_N: J5.K3 J15.24 | length 5201
  L3 w5: J15.24@7305,6437 7265.43,6437 7262.5,6439.93 7262.5,6446.86 7289.66,6474.03 7485.01,6474.03 7575.99,6565 7940,6565 8140,6365 8391.79,6365 8489.79,6267 9350,6267 9509.3,6426.3 9509.3,6705.3 9645,6841 10709.79,6841 10923.29,6627.5 10997.61,6627.5 11022.11,6652 11123,6652 11137.16,6637.84 11138.8,6637.84 11150.64,6626 11281,6626 11351.56,6555.44 11434.06,6555.44 11479.5,6510 11630.19,6510 11644.62,6495.58 11644.62,6491.44 11627.59,6474.41 J5.K3@11624.56,6474.41
EXT9.LVDS_7_P: J5.J3 J15.23 | length 5250.7
  L3 w5: J15.23@7205,6437 7244.57,6437 7247.5,6439.93 7247.5,6453.08 7283.45,6489.03 7478.8,6489.03 7569.77,6580 7946.21,6580 8146.21,6380 8398,6380 8496,6282 9343.79,6282 9494.3,6432.52 9494.3,6711.52 9638.79,6856 10716,6856 10929.5,6642.5 10991.39,6642.5 11015.9,6667 11129.21,6667 11143.37,6652.84 11145.02,6652.84 11156.85,6641 11287.21,6641 11357.77,6570.44 11440.27,6570.44 11485.71,6525 11636.41,6525 11659.62,6501.79 11659.62,6491.44 11676.64,6474.41 J5.J3@11679.67,6474.41
EXT10.LVDS_0_N: J16.3 J31.B3 | length 3709.7
  L8 w5: J16.3@10558,3471 10600.63,3428.38 10604.77,3428.38 10612.09,3435.7 10643,3435.7 10643.27,3435.43 10830.43,3435.43 11510,4115 11510,5885.21 11558.23,5933.44 12132.7,5933.44 12140.68,5941.43 12140.68,5945.57 12123.65,5962.6 J31.B3@12120.62,5962.6
EXT10.LVDS_0_P: J16.2 J31.A3 | length 3722.1
  L8 w5: J16.2@10658,3371 10615.37,3413.63 10615.37,3417.77 10618.3,3420.7 10636.79,3420.7 10637.05,3420.43 10836.64,3420.43 11525,4108.79 11525,5879 11564.44,5918.44 12138.91,5918.44 12155.68,5935.21 12155.68,5945.57 12172.71,5962.6 J31.A3@12175.74,5962.6
EXT10.LVDS_1_N: J16.6 J31.E3 | length 3364.2
  Top Layer w8: v2(11501,5970.1) 11501,5987 11508,5994 11874.05,5994 11876.31,5996.25 11969.21,5996.25 11976.32,5989.13 11976.32,5982.5 11956.42,5962.6 J31.E3@11955.27,5962.6
  L8 w5: J16.6@10658,3571 10618.43,3571 10615.5,3573.93 10615.5,3580.87 10651.63,3617 10690.21,3617 10784,3710.79 10784,3850.79 11469,4535.79 11469,5890.79 11497.87,5919.66 11497.87,5960.81 11498.57,5961.51 11498.57,5967.66 v2(11501,5970.1)
EXT10.LVDS_1_P: J16.5 J31.D3 | length 3410.7
  Top Layer w8: v2(11479.74,5970.1) 11481.6,5971.96 11481.6,5985.98 11502.62,6007 11868.67,6007 11870.92,6009.25 11974.59,6009.25 11989.32,5994.52 11989.32,5982.5 12009.23,5962.6 J31.D3@12010.38,5962.6
  L8 w5: J16.5@10558,3571 10597.57,3571 10600.5,3573.93 10600.5,3587.08 10645.42,3632 10684,3632 10769,3717 10769,3857 11454,4542 11454,5897 11482.87,5925.87 11482.87,5960.81 11482.17,5961.51 11482.17,5967.66 v2(11479.74,5970.1)
EXT10.LVDS_2_N: J16.9 J31.H3 | length 3330.9
  L8 w5: J16.9@10558,3771 10600.63,3728.38 10600.63,3724.23 10597.7,3721.3 10579.21,3721.3 10566.55,3733.97 10526.03,3733.97 10502,3758 10502,3800 10513,3811 10713.21,3811 10734,3831.79 10734,3916 11418.87,4600.87 11418.87,5957.71 11419.57,5958.41 11419.57,5964.57 v2(11422,5967)
  L10 w5: v2(11422,5967) 11424.43,5964.57 11424.43,5951.57 11441.61,5934.39 11665.72,5934.39 11666.66,5933.44 11801.99,5933.44 11809.97,5941.43 11809.97,5945.57 11792.94,5962.6 J31.H3@11789.91,5962.6
EXT10.LVDS_2_P: J16.8 J31.G3 | length 3420.4
  L8 w5: J16.8@10658,3671 10615.37,3713.63 10611.23,3713.63 10603.91,3706.3 10573,3706.3 10560.33,3718.97 10519.81,3718.97 10487,3751.79 10487,3806.21 10506.79,3826 10707,3826 10719,3838 10719,3922.21 11403.87,4607.08 11403.87,5957.71 11403.17,5958.41 11403.17,5964.57 v2(11400.74,5967)
  L10 w5: v2(11400.74,5967) 11403.17,5964.57 11403.17,5951.61 11435.39,5919.39 11659.5,5919.39 11660.45,5918.44 11808.2,5918.44 11824.97,5935.21 11824.97,5945.57 11842,5962.6 J31.G3@11845.03,5962.6
EXT10.LVDS_3_N: J16.12 J31.K3 | length 3056.7
  L8 w5: J16.12@10658,3871 10618.43,3871 10615.5,3873.93 10615.5,3887.08 10574.32,3928.26 10550.43,3928.26 10494,3984.7 10494,4087 10516,4109 10703,4109 11284,4690 11284,5974 11313,6003 11510,6003 11521.25,5991.75 11636.63,5991.75 11644.62,5983.77 11644.62,5979.63 11627.59,5962.6 J31.K3@11624.56,5962.6
EXT10.LVDS_3_P: J16.11 J31.J3 | length 3106.4
  L8 w5: J16.11@10558,3871 10597.57,3871 10600.5,3873.93 10600.5,3880.87 10568.1,3913.26 10544.22,3913.26 10479,3978.48 10479,4093.21 10509.79,4124 10696.79,4124 11269,4696.21 11269,5980.21 11306.79,6018 11516.21,6018 11527.46,6006.75 11642.85,6006.75 11659.62,5989.98 11659.62,5979.63 11676.64,5962.6 J31.J3@11679.67,5962.6
EXT10.LVDS_4_N: J16.15 J31.C4 | length 3223
  L8 w5: J16.15@10558,4071 10600.63,4028.37 10604.77,4028.37 10612.09,4035.7 10628.66,4035.7 10641.33,4023.03 10696.03,4023.03 11331.87,4658.87 11331.87,5958.71 11331.17,5959.41 11331.17,5965.57 v2(11328.74,5968)
  L10 w5: 11331.87,5977.29 11331.87,6004.08 11365.79,6038 11502.45,6038 11535.16,6005.29 12074.62,6005.29 12089.5,6020.17 12089.5,6024.31 12072.47,6041.34 J31.C4@12069.44,6041.34
EXT10.LVDS_4_P: J16.14 J31.B4 | length 3235.5
  L8 w5: J16.14@10658,3971 10615.37,4013.63 10615.37,4017.77 10618.3,4020.7 10622.45,4020.7 10635.11,4008.03 10702.24,4008.03 11346.87,4652.66 11346.87,5958.71 11347.57,5959.41 11347.57,5965.57 v2(11350,5968)
  L10 w5: 11346.87,5977.29 11346.87,5997.87 11372,6023 11496.24,6023 11528.94,5990.29 12080.84,5990.29 12104.5,6013.95 12104.5,6024.31 12121.53,6041.34 J31.B4@12124.56,6041.34
EXT10.LVDS_5_N: J16.18 J31.F4 | length 2917.1
  L8 w5: J16.18@10658,4171 10618.43,4171 10615.5,4173.93 10615.5,4180.86 10643.64,4209 10704,4209 11241,4746 11241,6008 11305,6072 11914.65,6072 11924.14,6062.51 11924.14,6058.37 11907.12,6041.34 J31.F4@11904.08,6041.34
EXT10.LVDS_5_P: J16.17 J31.E4 | length 2966.8
  L8 w5: J16.17@10558,4171 10597.57,4171 10600.5,4173.93 10600.5,4187.08 10637.42,4224 10697.79,4224 11226,4752.21 11226,6014.21 11298.79,6087 11920.86,6087 11939.14,6068.72 11939.14,6058.37 11956.17,6041.34 J31.E4@11959.2,6041.34
EXT10.LVDS_6_N: J16.21 J31.I4 | length 2636.3
  L3 w5: 11203.75,5994.39 11216.36,6007 11745.62,6007 11758.79,6020.17 11758.79,6024.31 11741.76,6041.34 J31.I4@11738.73,6041.34
  L8 w5: J16.21@10558,4371 10600.63,4328.37 10604.77,4328.37 10612.09,4335.7 10643,4335.7 10650.09,4328.61 10712.39,4328.61 11141,4757.21 11141,5931.64 11190.61,5981.25 11190.61,5982.24 11194.97,5986.59 v2(11194.97,5990.03)
EXT10.LVDS_6_P: J16.20 J31.H4 | length 2648.7
  L3 w5: 11214.35,5983.78 11222.57,5992 11751.84,5992 11773.79,6013.95 11773.79,6024.31 11790.82,6041.34 J31.H4@11793.85,6041.34
  L8 w5: J16.20@10658,4271 10615.37,4313.63 10615.37,4317.77 10618.3,4320.7 10636.79,4320.7 10643.88,4313.61 10718.61,4313.61 11156,4751 11156,5925.43 11201.22,5970.65 11202.21,5970.65 11206.56,5975 v2(11210,5975)
EXT10.LVDS_7_N: J16.24 J31.L4 | length 2374.3
  L3 w5: 11132.35,5991.78 11208.18,6067.61 11435.48,6067.61 11438.36,6070.49 11585.45,6070.49 11593.43,6062.51 11593.43,6058.37 11576.41,6041.34 J31.L4@11573.38,6041.34
  L8 w5: J16.24@10658,4471 10618.43,4471 10615.5,4473.93 10615.5,4489.07 10636.43,4510 10770.21,4510 11085.54,4825.33 11085.54,5944.97 11119.22,5978.65 11120.21,5978.65 11124.56,5983 v2(11128,5983)
EXT10.LVDS_7_P: J16.23 J31.K4 | length 2424
  L3 w5: 11121.75,6002.39 11201.97,6082.61 11429.27,6082.61 11432.15,6085.49 11591.66,6085.49 11608.43,6068.72 11608.43,6058.37 11625.46,6041.34 J31.K4@11628.49,6041.34
  L8 w5: J16.23@10558,4471 10597.57,4471 10600.5,4473.93 10600.5,4495.28 10630.22,4525 10764,4525 11070.54,4831.54 11070.54,5951.18 11108.61,5989.25 11108.61,5990.24 11112.97,5994.59 v2(11112.97,5998.03)
EXT11.LVDS_0_N: J17.3 J29.C2 | length 5828.9
  L10 w5: J17.3@6724,5438 6766.63,5395.38 6766.63,5391.23 6759.3,5383.91 6759.3,5367.34 6771.58,5355.07 6771.58,5307.21 7013.79,5065 8038.79,5065 8125.79,4978 9650.79,4978 9840.79,4788 9930.79,4788 10008.79,4710 11172.79,4710 11347.73,4535.06 12081.51,4535.06 12089.5,4527.07 12089.5,4522.93 12072.47,4505.9 J29.C2@12069.44,4505.9
EXT11.LVDS_0_P: J17.2 J29.B2 | length 5816.5
  L10 w5: J17.2@6824,5338 6781.37,5380.63 6777.23,5380.63 6774.3,5377.7 6774.3,5373.56 6786.58,5361.28 6786.58,5313.42 7020,5080 8045,5080 8132,4993 9657,4993 9847,4803 9937,4803 10015,4725 11179,4725 11353.94,4550.06 12087.73,4550.06 12104.5,4533.29 12104.5,4522.93 12121.53,4505.9 J29.B2@12124.56,4505.9
EXT11.LVDS_1_N: J17.6 J29.F2 | length 5823.3
  Bottom Layer w8: J17.6@6824,5538 6785.19,5538 6780.5,5533.32 6780.5,5270.86 6955.36,5096 9662.38,5096 9827.38,4931 10387.38,4931 10483.38,4835 10742,4835 11106,4471 11916.77,4471 11925.14,4479.37 11925.14,4486 11905.24,4505.9 J29.F2@11904.08,4505.9
EXT11.LVDS_1_P: J17.5 J29.E2 | length 5866.3
  Bottom Layer w8: J17.5@6724,5538 6762.81,5538 6767.5,5533.32 6767.5,5265.47 6949.97,5083 9657,5083 9822,4918 10382,4918 10478,4822 10736.62,4822 11100.62,4458 11922.16,4458 11938.14,4473.99 11938.14,4486 11958.05,4505.9 J29.E2@11959.2,4505.9
EXT11.LVDS_2_N: J17.9 J29.H5 | length 5570.4
  L10 w5: J17.9@6724,5738 6766.63,5695.38 6766.63,5691.23 6759.3,5683.91 6759.3,5667.34 6771.97,5654.67 6771.97,5616.45 6807.31,5581.11 6840.68,5581.11 7171.79,5250 7825.79,5250 7951.79,5124 8259.79,5124 8359.79,5024 9707,5024 9898,4833 11419.79,4833 11481.79,4771 11731.17,4771 11731.45,4771.28 11801.99,4771.28 11809.97,4763.3 11809.97,4759.15 11792.94,4742.12 J29.H5@11789.91,4742.12
EXT11.LVDS_2_P: J17.8 J29.G5 | length 5564.1
  L10 w5: J17.8@6834.61,5648.61 6813.39,5648.61 6781.37,5680.63 6777.23,5680.63 6774.3,5677.7 6774.3,5673.56 6786.97,5660.89 6786.97,5622.66 6813.53,5596.11 6846.89,5596.11 7178,5265 7832,5265 7958,5139 8266,5139 8366,5039 9713.21,5039 9904.21,4848 11426,4848 11488,4786 11724.96,4786 11725.24,4786.28 11808.2,4786.28 11824.97,4769.51 11824.97,4759.15 11842,4742.12 J29.G5@11845.03,4742.12
EXT11.LVDS_3_N: J17.12 J29.K5 | length 5464.4
  L5 w5: J17.12@6824,5838 6784.43,5838 6781.5,5835.07 6781.5,5828.14 6818.63,5791.01 6842.51,5791.01 6884.78,5748.74 6884.78,5745.22 7028.57,5601.43 7312.09,5601.43 7335.52,5578 8335,5578 8405,5508 8613.7,5508 8643.7,5478 9291,5478 9418,5351 9418,5262 9582,5098 10919,5098 11304.03,4712.97 11636.63,4712.97 11644.62,4720.95 11644.62,4725.1 11627.59,4742.12 J29.K5@11624.56,4742.12
EXT11.LVDS_3_P: J17.11 J29.J5 | length 5514.1
  L5 w5: J17.11@6724,5838 6763.57,5838 6766.5,5835.07 6766.5,5821.92 6812.42,5776.01 6836.3,5776.01 6869.78,5742.53 6869.78,5739.01 7022.36,5586.43 7305.88,5586.43 7329.31,5563 8328.79,5563 8398.79,5493 8607.48,5493 8637.48,5463 9284.79,5463 9403,5344.79 9403,5255.79 9575.79,5083 10912.79,5083 11297.82,4697.97 11642.85,4697.97 11659.62,4714.74 11659.62,4725.1 11676.64,4742.12 J29.J5@11679.67,4742.12
EXT11.LVDS_4_N: J5.C2 J17.15 | length 5914.6
  L5 w5: J17.15@6724,6038 6766.63,5995.37 6770.77,5995.37 6778.09,6002.7 6809,6002.7 6809.27,6002.43 6833.15,6002.43 6845.58,5990 7422,5990 7525,5887 8838,5887 8944,5781 9329,5781 9538,5990 9538,6246.21 9565.36,6273.57 9703.88,6273.57 9717.88,6287.57 10201.95,6287.57 10210.52,6279 10665.05,6279 10667.89,6276.16 11062.95,6276.16 11115.39,6328.61 11183.25,6328.61 11201.64,6347 11514.57,6347 11534.09,6366.51 12081.51,6366.51 12089.5,6374.5 12089.5,6378.64 12072.47,6395.67 J5.C2@12069.44,6395.67
EXT11.LVDS_4_P: J5.B2 J17.14 | length 5927.1
  L5 w5: J17.14@6824,5938 6781.37,5980.63 6781.37,5984.77 6784.3,5987.7 6802.79,5987.7 6803.05,5987.43 6826.94,5987.43 6839.36,5975 7415.79,5975 7518.79,5872 8831.79,5872 8937.79,5766 9335.21,5766 9553,5983.79 9553,6240 9571.57,6258.57 9710.09,6258.57 9724.09,6272.57 10195.73,6272.57 10204.3,6264 10658.84,6264 10661.68,6261.16 11069.16,6261.16 11121.61,6313.61 11189.46,6313.61 11207.85,6332 11520.79,6332 11540.3,6351.51 12087.73,6351.51 12104.5,6368.28 12104.5,6378.64 12121.53,6395.67 J5.B2@12124.56,6395.67
EXT11.LVDS_5_N: J5.F2 J17.18 | length 5788.6
  L5 w5: J17.18@6824,6138 6784.43,6138 6781.5,6140.93 6781.5,6147.86 6808.66,6175.03 6963.76,6175.03 7063.79,6075 7438.79,6075 7541.79,5972 8829.79,5972 8931.79,5870 9340.21,5870 9489,6018.79 9489,6292.57 9559.43,6363 10056.7,6363 10066.27,6372.57 10322.35,6372.57 10331.92,6363 11001,6363 11093,6455 11339.79,6455 11369.96,6424.82 11916.16,6424.82 11924.14,6416.84 11924.14,6412.7 11907.12,6395.67 J5.F2@11904.08,6395.67

## Text inside footprints (layer, text, board x,y; h text height)
J29: Top Overlay "8" at 11390.3,4964.57 h39.37 r90; Top Overlay "7" at 11390.3,4885.83 h39.37 r90; Top Overlay "6" at 11390.3,4807.09 h39.37 r90; Top Overlay "5" at 11390.3,4728.35 h39.37 r90; Top Overlay "4" at 11390.3,4649.61 h39.37 r90; Top Overlay "3" at 11390.3,4570.87 h39.37 r90; Top Overlay "2" at 11390.3,4492.12 h39.37 r90; Top Overlay "1" at 11390.3,4413.38 h39.37 r90; Notvisible "Edge of Daugher Card" at 12287.94,4575.79 h19.68 r90; Notvisible "Top Surface of Mother Board" at 12740.7,4530.51 h19.68 r90; Mechanical 14 "A" at 12195.42,4340.55 h39.37 r90; Mechanical 14 "B" at 12140.3,4340.55 h39.37 r90; Mechanical 14 "C" at 12085.19,4340.55 h39.37 r90; Mechanical 14 "D" at 12030.07,4340.55 h39.37 r90; Mechanical 14 "E" at 11974.95,4340.55 h39.37 r90; Mechanical 14 "F" at 11919.83,4340.55 h39.37 r90; Mechanical 14 "8" at 11390.3,4964.57 h39.37 r90; Mechanical 14 "7" at 11390.3,4885.83 h39.37 r90; Mechanical 14 "6" at 11390.3,4807.09 h39.37 r90; Mechanical 14 "5" at 11390.3,4728.35 h39.37 r90; Mechanical 14 "G" at 11864.71,4340.55 h39.37 r90; Mechanical 14 "H" at 11809.6,4340.55 h39.37 r90; Mechanical 14 "I" at 11754.48,4350.39 h39.37 r90; Mechanical 14 "4" at 11390.3,4649.61 h39.37 r90; Mechanical 14 "3" at 11390.3,4570.87 h39.37 r90; Mechanical 14 "J" at 11699.36,4340.55 h39.37 r90; Mechanical 14 "K" at 11644.24,4340.55 h39.37 r90; Mechanical 14 "2" at 11390.3,4492.12 h39.37 r90; Mechanical 14 "L" at 11589.12,4340.55 h39.37 r90; Mechanical 14 "1" at 11390.3,4413.38 h39.37 r90
J30: Top Overlay "1" at 11390.3,5161.42 h39.37 r90; Top Overlay "2" at 11390.3,5240.16 h39.37 r90; Top Overlay "3" at 11390.3,5318.9 h39.37 r90; Top Overlay "4" at 11390.3,5397.64 h39.37 r90; Top Overlay "5" at 11390.3,5476.38 h39.37 r90; Top Overlay "6" at 11390.3,5555.12 h39.37 r90; Top Overlay "7" at 11390.3,5633.86 h39.37 r90; Top Overlay "8" at 11390.3,5712.6 h39.37 r90; Notvisible "Top Surface of Mother Board" at 12740.7,5278.54 h19.68 r90; Notvisible "Edge of Daugher Card" at 12287.94,5323.82 h19.68 r90; Mechanical 14 "1" at 11390.3,5161.42 h39.37 r90; Mechanical 14 "L" at 11589.12,5088.58 h39.37 r90; Mechanical 14 "2" at 11390.3,5240.16 h39.37 r90; Mechanical 14 "K" at 11644.24,5088.58 h39.37 r90; Mechanical 14 "J" at 11699.36,5088.58 h39.37 r90; Mechanical 14 "3" at 11390.3,5318.9 h39.37 r90; Mechanical 14 "4" at 11390.3,5397.64 h39.37 r90; Mechanical 14 "I" at 11754.48,5098.42 h39.37 r90; Mechanical 14 "H" at 11809.6,5088.58 h39.37 r90; Mechanical 14 "G" at 11864.71,5088.58 h39.37 r90; Mechanical 14 "5" at 11390.3,5476.38 h39.37 r90; Mechanical 14 "6" at 11390.3,5555.12 h39.37 r90; Mechanical 14 "7" at 11390.3,5633.86 h39.37 r90; Mechanical 14 "8" at 11390.3,5712.6 h39.37 r90; Mechanical 14 "F" at 11919.83,5088.58 h39.37 r90; Mechanical 14 "E" at 11974.95,5088.58 h39.37 r90; Mechanical 14 "D" at 12030.07,5088.58 h39.37 r90; Mechanical 14 "C" at 12085.19,5088.58 h39.37 r90; Mechanical 14 "B" at 12140.3,5088.58 h39.37 r90; Mechanical 14 "A" at 12195.42,5088.58 h39.37 r90
J31: Top Overlay "1" at 11390.3,5791.34 h39.37 r90; Top Overlay "2" at 11390.3,5870.08 h39.37 r90; Top Overlay "3" at 11390.3,5948.82 h39.37 r90; Top Overlay "4" at 11390.3,6027.56 h39.37 r90; Top Overlay "5" at 11390.3,6106.3 h39.37 r90; Top Overlay "6" at 11390.3,6185.04 h39.37 r90; Notvisible "Edge of Daugher Card" at 12287.94,5875 h19.68 r90; Notvisible "Top Surface of Mother Board" at 12740.7,5829.72 h19.68 r90; Mechanical 14 "L" at 11589.12,5718.5 h39.37 r90; Mechanical 14 "2" at 11390.3,5870.08 h39.37 r90; Mechanical 14 "1" at 11390.3,5791.34 h39.37 r90; Mechanical 14 "J" at 11699.36,5718.5 h39.37 r90; Mechanical 14 "K" at 11644.24,5718.5 h39.37 r90; Mechanical 14 "3" at 11390.3,5948.82 h39.37 r90; Mechanical 14 "I" at 11754.48,5728.35 h39.37 r90; Mechanical 14 "H" at 11809.6,5718.5 h39.37 r90; Mechanical 14 "G" at 11864.71,5718.5 h39.37 r90; Mechanical 14 "4" at 11390.3,6027.56 h39.37 r90; Mechanical 14 "5" at 11390.3,6106.3 h39.37 r90; Mechanical 14 "6" at 11390.3,6185.04 h39.37 r90; Mechanical 14 "E" at 11974.95,5718.5 h39.37 r90; Mechanical 14 "F" at 11919.83,5718.5 h39.37 r90; Mechanical 14 "D" at 12030.07,5718.5 h39.37 r90; Mechanical 14 "B" at 12140.3,5718.5 h39.37 r90; Mechanical 14 "C" at 12085.19,5718.5 h39.37 r90; Mechanical 14 "A" at 12195.42,5718.5 h39.37 r90